# Altium PCB UmTRXv21.PcbDoc (part 7 of 19)
Units mm, origin at the board's own origin, x right, y up, seen from the top; angles counter-clockwise.
Board outline 159.5 x 99.5 mm, 6 copper layers (Top Layer, GND, MidLayer1, Mid-Layer 2, InternalPlane2, Bottom Layer), stack 1.526 mm thick; 716 components, 578 nets, 2850 pads, 1402 vias.
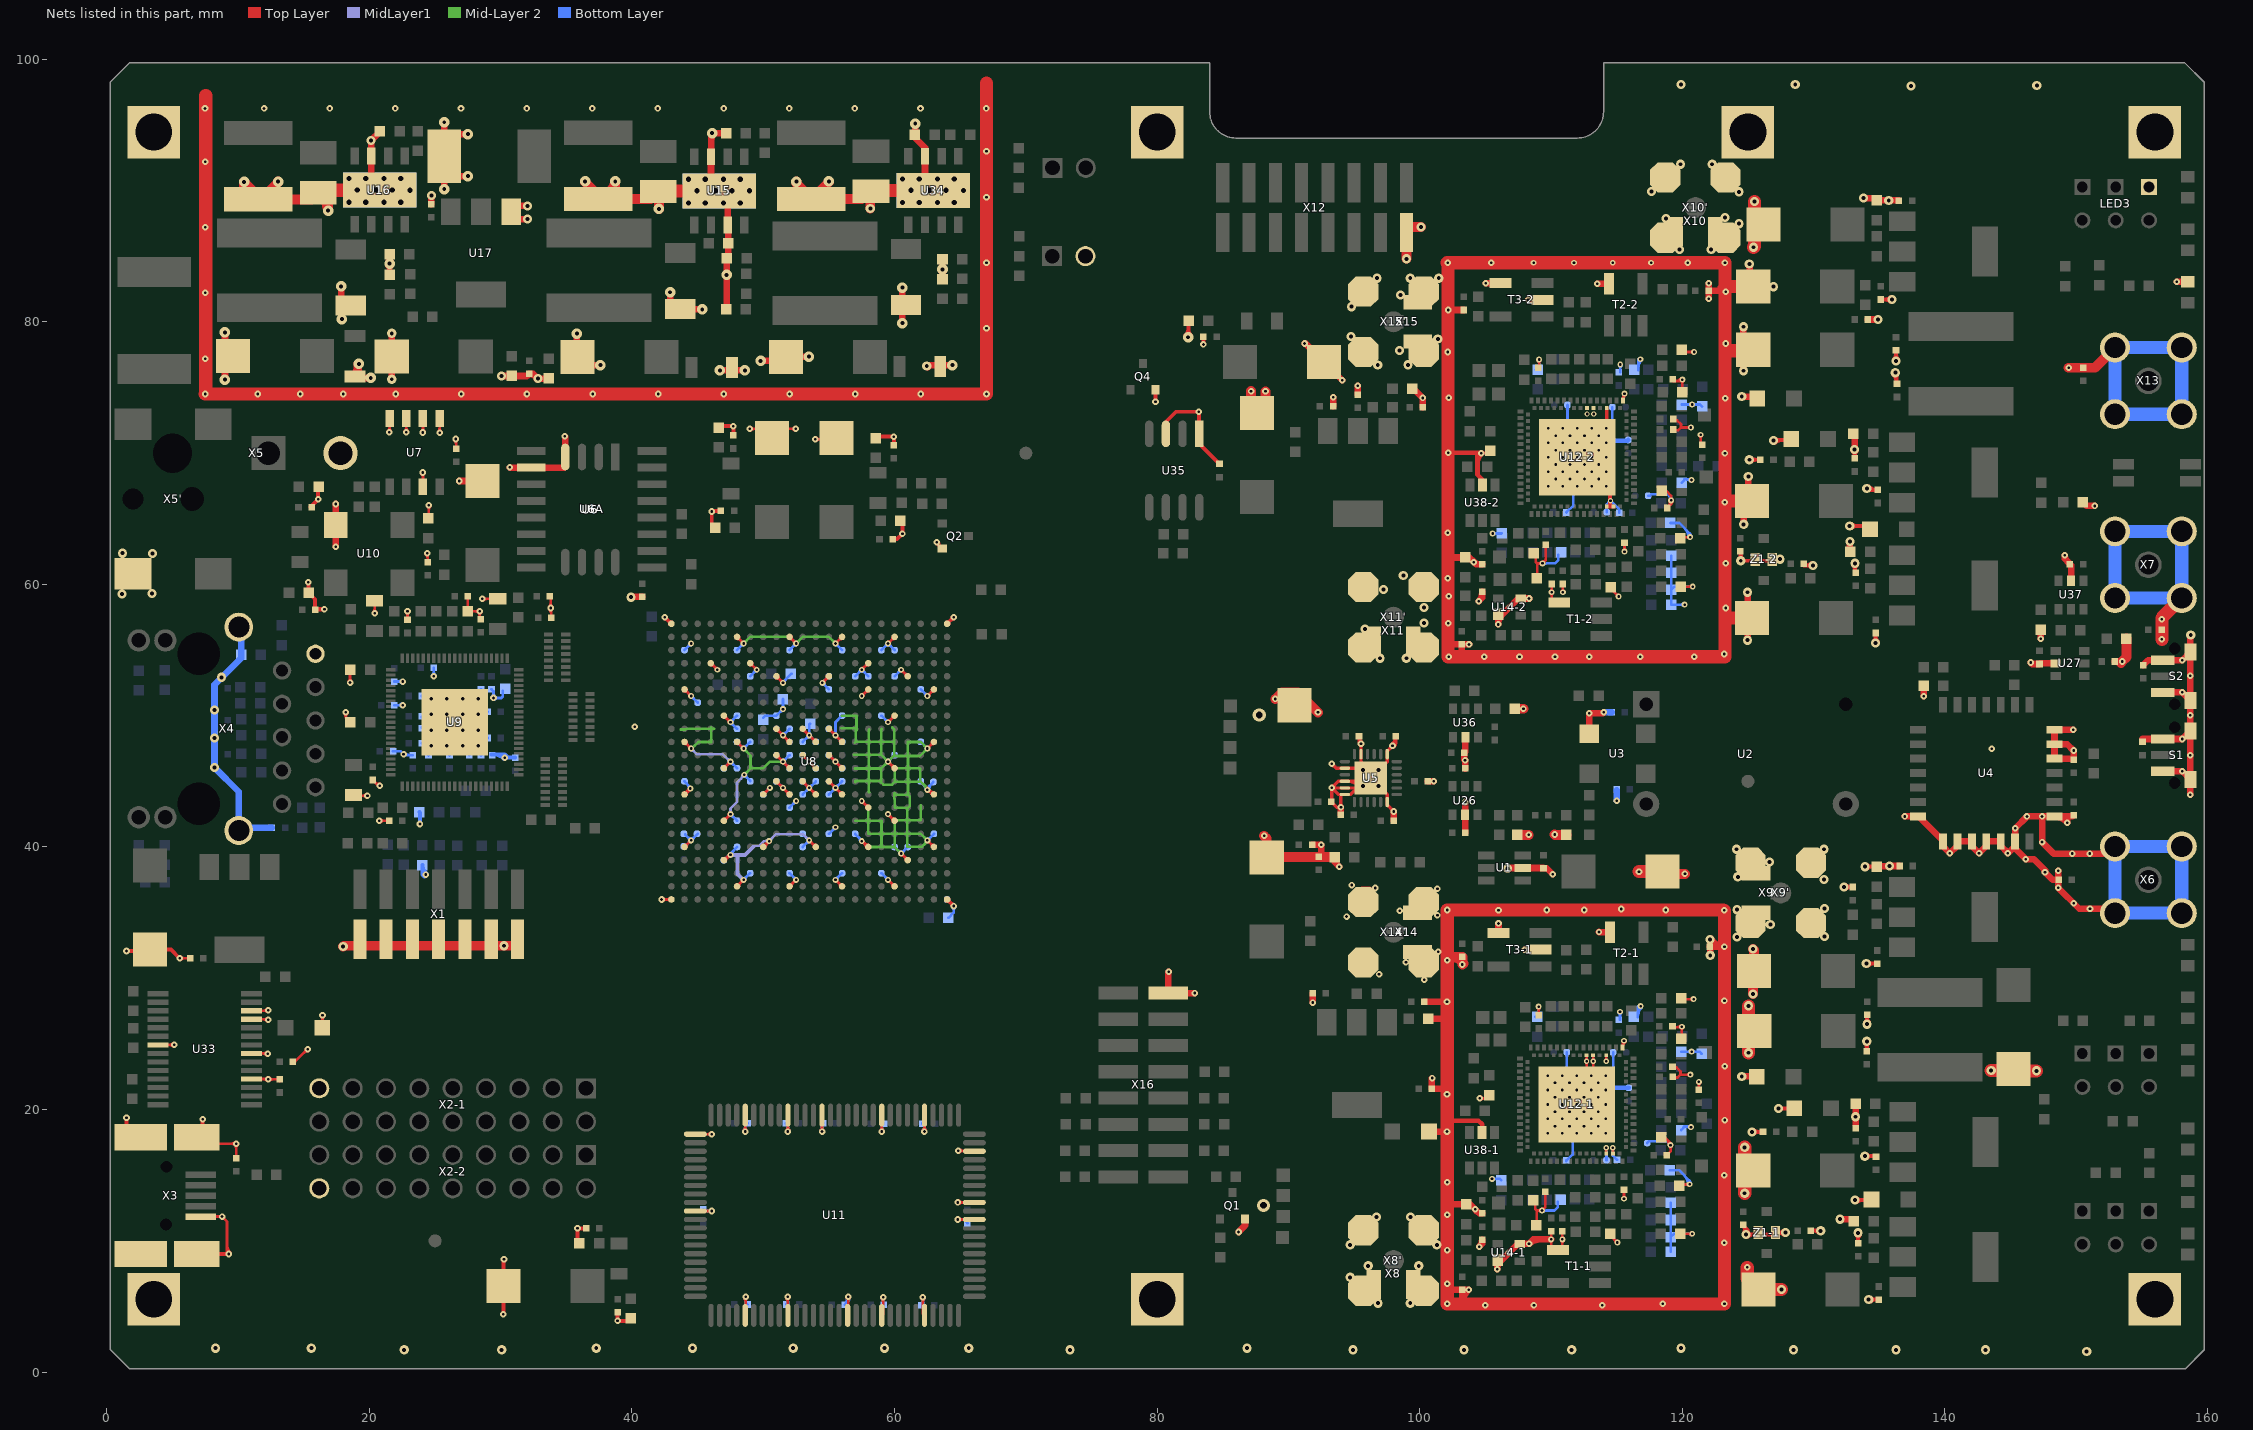
[diagram p11: the nets of this part, all layers, seen from the top]

## Via types
v1: diameter 0.45, hole 0.2, Top Layer to Bottom Layer, tented both sides, 440 vias
v2: diameter 0.5, hole 0.2, Top Layer to Bottom Layer, tented both sides, 423 vias
v3: diameter 0.7, hole 0.3, Top Layer to Bottom Layer, tented both sides, 257 vias
v4: diameter 0.4, hole 0.2, Top Layer to Bottom Layer, tented both sides, 197 vias
v5: diameter 0.8, hole 0.3, Top Layer to Bottom Layer, tented both sides, 63 vias
v6: diameter 0.6, hole 0.25, Top Layer to Bottom Layer, tented both sides, 16 vias
v7: diameter 0.6, hole 0.3, Top Layer to Bottom Layer, tented both sides, 4 vias
v8: diameter 1, hole 0.5, Top Layer to Bottom Layer, tented both sides, 2 vias

## Nets (pads, with @x,y where several pads share a name; then routed paths per layer and width w, separated by ;. In a path a pad name is that pad's centre, name@x,y a point inside that pad or via, vN(x,y) a via of type N, cw(c..) or ccw(c..) an arc to the next point about the centre after c; other vN are vias at no path point) (continued)
GND: C4.2 C5.1 C6.2 C7.2 C8.2 C9.2 C10.2 C11.2 C12.2 C13.2 C14.1 C15.1 C17.2 C18.2 C19.2 C20.2 C21.2 C22.2 C23.2 C24.2 C25.2 C26.2 C27.1 C32.1 C33.2 C34.2 C35.2 C36.2 C37.2 C38.2 C39.2 C40.2 C41.1 C42.2 C43.1 C44-1.2 C44-2.2 C45-1.1 C45-2.1 C48-1.2 C48-2.2 C49-1.2 C49-2.2 C50-1.2 C50-2.2 C51-1.2 C51-2.2 C52-1.2 C52-2.2 C53-1.2 C53-2.2 C54-1.2 C54-2.2 C55-1.2 C55-2.2 C56-1.2 C56-2.2 C57-1.2 C57-2.2 C58-1.2 C58-2.2 C59-1.1 C59-2.1 C60-1.1 C60-2.1 C61-1.1 C61-2.1 C62-1.1 C62-2.1 C63-1.1 C63-2.1 C64-1.2 C64-2.2 C65-1.2 C65-2.2 C66-1.2 C66-2.2 C67-1.1 C67-2.1 C68-1.2 C68-2.2 C69-1.2 C69-2.2 C70-1.2 C70-2.2 C71-1.2 C71-2.2 C72-1.2 C72-2.2 C73-1.2 C73-2.2 C74-1.2 C74-2.2 C75-1.2 C75-2.2 C76-1.2 C76-2.2 C77-1.2 C77-2.2 C78-1.2 C78-2.2 C79-1.2 C79-2.2 C80-1.2 C80-2.2 C81-1.2 C81-2.2 C82-1.2 C82-2.2 C84-1.1 C84-2.1 C85-1.1 C85-2.1 C86-1.2 C86-2.2 C87-1.2 C87-2.2 C88-1.2 C88-2.2 C89-1.2 C89-2.2 C90-1.2 C90-2.2 C91-1.2 C91-2.2 C92-1.2 C92-2.2 C93-1.2 C93-2.2 C94-1.1 C94-2.1 C95-1.2 C95-2.2 C97-1.1 C97-2.1 C98-1.2 C98-2.2 C100-1.1 C100-2.1 C113.2 C114.2 C115.2 C116.2 C117.2 C118.2 C119.2 C120.2 C125.2 C127.2 C128.2 C129.2 C131.2 C135.2 C136.2 C137.2 C138.2 C139.2 C140.2 C141.2 C143.2 C144.2 C145.2 C146.2 C147.2 C148.2 C150.2 C151.2 C152.2 C153.2 C154.2 C156.2 C157.2 C158.2 C159.2 C161.2 C162.2 C163.2 C164.2 C165.2 C166.2 C168.2 C169-1.2 C169-2.2 C171.2 C172.1 C174.1 C175.1 C176.1 C177.1 C178.1 C179.1 C180.1 C181.1 C182.1 C183.1 C184.1 C185.1 C186.1 C187.1 C188.1 C189.1 C190.1 C191.1 C192.1 C193.1 C194.1 C196.1 C197.1 C198.1 C199.1 C200.1 C201.1 C202.1 C203.1 C204.1 C205.1 C206.1 C207.1 C208.1 C209.1 C210.1 C211.1 C212.1 C213.1 C214.1 C215.1 C216.1 C217.1 C218.1 C219.1 C220.1 C221.1 C222.1 C223.1 C224.1 C225.1 C227.1 C228.1 C229.2 C230.2 C231.2 C232.2 C233.2 C234.2 C235.2 C236.2 C237.2 C238.2 C239.2 C240.2 C241.2 C242.2 C243.2 C244.2 C245.2 C246.2 C247.2 C248.2 C249.2 C250.2 C251.2 C252.2 C254.2 C255.2 C256.2 C257.2 C258.2 C259.2 C260.2 C261.2 C262.2 C263.2 C264.2 C265.2 C266.2 C268.2 C269.2 C270.2 C271.2 C272.2 C273.2 C274.2 C275.1 C276.2 C277.2 C278.2 C279.2 C280.2 C281.2 C282.2 C283.2 C284.2 C285.2 C286.1 C287.1 C290.2 C291.2 C292.1 C293.1 C294.1 C295.1 C297.1 C298.2 C299.2 C300.2 C301-1.2 C301-2.2 D1.2 D2.2 D3.2 D4.1 ESD1.2 ESD2.2 ESD3-1.1 ESD3-2.1 ESD3.2 ESD4-1.1 ESD4-2.1 ESD5-1.1 ESD5-2.1 LED3.1 LED3A'.1 pad.0 Q1.2 Q2.2 Q4.2 R5.1 R12.1 R20.2 R23.1 R24.1 R32.2 R56.1 R60.2 R61.2 R62.1 R66.1 R67.1 R78.2 R93.2 R96-1.1 R96-2.1 R97-1.1 R97-2.1 R98-1.1 R98-2.1 R106-1.1 R106-2.1 R107-1.1 R107-2.1 R108-1.1 R108-2.1 R110-1.1 R110-2.1 R111-1.1 R111-2.1 R112-1.1 R112-2.1 R113-1.1 R113-2.1 R121-1.2 R121-2.2 R123.2 R128.1 R129.1 R131.2 R132.2 R135.2 R138.2 R153.1 R155.2 R157.2 R159.1 R168.1 R169.2 S1.2 S1.3 S1.4 S2.2 S2.3 S2.4 T1-1.6 T1-2.6 T2-1.4 T2-2.4 T3-1.2 T3-1.6 T3-2.2 T3-2.6 U1.2 U2.7 U3.2 U4.1 U4.5 U4.6 U4.7 U4.21 U4.22 U4.23 U4.24 U4.25 U4.26 U4.27 U5.0 U5.2 U5.4 U5.5 U5.6 U5.12 U5.19 U5.23 U6.4 U6A.10 U7.1 U7.2 U7.3 U7.4 U7.7 U8.A1 U8.A22 U8.AA5 U8.AA9 U8.AA13 U8.AA17 U8.AB1 U8.AB22 U8.B5 U8.B9 U8.B13 U8.B17 U8.D4 U8.D18 U8.E2 U8.E7 U8.E11 U8.E15 U8.E21 U8.G5 U8.G18 U8.H7 U8.J2 U8.J9 U8.J11 U8.J13 U8.J15 U8.J21 U8.K10 U8.K12 U8.K14 U8.L5 U8.L9 U8.L11 U8.L13 U8.L18 U8.M10 U8.M12 U8.M14 U8.N2 U8.N9 U8.N11 U8.N13 U8.N17 U8.N21 U8.P10 U8.P12 U8.P14 U8.R5 U8.R18 U8.U2 U8.U7 U8.U21 U8.V4 U8.V10 U8.V14 U8.W7 U8.W16 U8.W19 U9.0 U10.2 U11.5 U11.10 U11.17 U11.21 U11.26 U11.31 U11.40 U11.55 U11.60 U11.67 U11.71 U11.76 U11.90 U11.92 U11.98 U12-1.0 U12-1.53 U12-1.55 U12-1.88 U12-1.93 U12-1.97 U12-1.99 U12-2.0 U12-2.53 U12-2.55 U12-2.88 U12-2.93 U12-2.97 U12-2.99 U14-1.2 U14-1.4 U14-2.2 U14-2.4 U15.0 U15.3 U15.7 U16.0 U16.7 U17.1 U26.2 U27.2 U33.7 U33.18 U33.21 U33.25 U33.26 U34.0 U34.7 U35.1 U35.3 U36.2 U37.2 U38-1.2 U38-2.2 X1.1 X1.3 X1.5 X1.7 X1.9 X1.11 X1.13 X2-1.17 X2-2.18 X3.0 X3.4 X4.1 X4.15 X5'.2 X5.2 X6.2 X7.2 X8'.2 X8.2 X9'.2 X9.2 X10'.2 X10.2 X11'.2 X11.2 X12.15 X13.2 X14'.2 X14.2 X15'.2 X15.2 X16.15 X17.2 Z1-1.2 Z1-2.2 | length 1567.9
  Top Layer w0.15: v1(113.655,33.525) T2-1.4@114.455,33.525 ; v1@113.761,33.419 cw(c114.017,33.163) 114.017,33.525 cw(c114.017,33.887) v1@113.761,33.631
  Top Layer w0.2: U33.7@3.9,24.925 v2(5.125,24.925) ; v2@5.019,24.819 ccw(c4.763,24.563) 4.763,24.925 ccw(c4.763,25.287) v2@5.019,25.031 ; v2(5.55,31.525) C214.1@6.35,31.525 ; v2@5.656,31.419 cw(c5.912,31.163) 5.912,31.525 cw(c5.912,31.887) v2@5.656,31.631 ; X3.4@7.4,11.85 v2(8.775,11.85) 9.15,11.475 v2@9.15,9 ; X3.0@7.625,17.4 v2(9.85,17.4) 9.85,16.55 ; 9.15,9.241 ccw(c9.541,9.241) v2@9.265,8.965 ; 9.15,9.724 ccw(c10.024,9.724) v2@9.406,9.106 ; v2@9.744,17.506 cw(c9.488,17.762) 9.488,17.4 cw(c9.488,17.038) 9.744,17.294 cw(c9.488,17.038) 9.85,17.038 cw(c10.212,17.038) v2@9.956,17.294 ; U33.18@11,22.325 12.275,22.325 12.3,22.35 v2(12.3,22.3) 13.025,22.3 C300.2@13.175,22.15 ; U33.21@11,24.275 12.225,24.275 v2(12.25,24.25) ; U33.25@11,26.875 12.225,26.875 12.25,26.9 v2(12.3,26.85) ; U33.26@11,27.525 12.275,27.525 v2(12.3,27.55) ; 11.828,24.275 cw(c11.828,23.828) v2@12.144,24.144 ; 11.877,22.325 cw(c11.877,21.877) v2@12.194,22.194 ; 11.878,26.875 cw(c11.878,26.428) v2@12.194,26.744 ; 11.878,27.525 ccw(c11.878,27.972) v2@12.194,27.656 ; 11.948,24.275 ccw(c11.948,24.552) v2@12.144,24.356 ; 11.998,22.325 ccw(c11.998,22.602) v2@12.194,22.406 ; 11.998,26.875 ccw(c11.998,27.152) v2@12.194,26.956 ; 11.998,27.525 cw(c11.998,27.248) v2@12.194,27.444 ; v2@12.406,22.194 cw(c12.662,21.938) 12.662,22.3 cw(c12.662,22.662) v2@12.406,22.406 ; C299.2@14.175,23.65 14.35,23.65 v2(15.3,24.6) ; v2@15.15,24.6 cw(c14.788,24.6) 15.044,24.344 cw(c15.3,24.088) v2@15.3,24.45 ; v2@16.319,27.069 cw(c16.063,26.813) 16.425,26.813 cw(c16.787,26.813) v2@16.531,27.069 ; C298.2@16.425,26.175 v2(16.425,27.175) ; v2@18.094,50.144 cw(c17.838,49.888) 18.2,49.888 cw(c18.562,49.888) v2@18.306,50.144 ; v2(18.2,50.25) 18.2,49.85 R60.2@18.55,49.5 ; v2@18.419,52.631 ccw(c18.163,52.887) 18.525,52.887 ccw(c18.887,52.887) v2@18.631,52.631 ; v2(18.525,52.525) R78.2@18.525,53.375 ; C285.2@18.8,43.95 18.85,43.9 v2(19.85,43.9) ; v2@19.744,43.794 ccw(c19.488,43.538) 19.488,43.9 ccw(c19.488,44.262) v2@19.744,44.006 ; C287.1@20.25,45.1 20.7,44.65 v2(20.8,44.65) ; v2@20.294,57.906 ccw(c20.038,58.162) 20.4,58.162 ccw(c20.762,58.162) v2@20.506,57.906 ; C287.1@20.373,44.977 ccw(c20.8,45.404) v2@20.8,44.8 ; v2(20.4,57.8) C283.2@20.4,58.75 ; v2(20.75,42) C228.1@21.4,42 ; v2@20.856,41.894 cw(c21.112,41.638) 21.112,42 cw(c21.112,42.362) v2@20.856,42.106 ; v2@21.418,71.687 ccw(c21.129,71.975) 21.537,71.975 ; v2(21.524,71.58) 21.537,71.594 U7.4@21.537,72.638 ; 21.537,71.91 ccw(c21.853,71.91) v2@21.63,71.687 ; v2@22.709,71.7 ccw(c22.473,71.936) 22.807,71.936 ; v2@22.794,57.844 cw(c22.538,57.588) 22.9,57.588 cw(c23.262,57.588) v2@23.006,57.844 ; 22.807,71.976 ccw(c23.197,71.976) v2@22.921,71.7 ; U7.3@22.807,72.638 22.807,71.602 v2(22.815,71.594) ; C240.2@22.9,57.3 v2(22.9,57.95) ; v2@23.95,68.417 cw(c23.645,68.111) 24.077,68.111 ; v2@23.963,71.674 ccw(c23.687,71.95) 24.077,71.95 ; v2(24.056,68.523) 24.077,68.503 U7.7@24.077,67.428 ; v2(24.069,71.568) 24.077,71.576 U7.2@24.077,72.638 ; 24.077,68.211 cw(c24.369,68.211) v2@24.163,68.417 ; 24.077,71.91 ccw(c24.411,71.91) v2@24.175,71.674 ; v2@24.294,62.269 cw(c23.917,61.892) C37.2@24.45,61.892 ; v2(24.4,62.375) 24.45,62.325 C37.2@24.45,61.7 C37.2@24.45,61.675 ; v2@24.419,65.919 cw(c24.163,65.663) 24.525,65.663 cw(c24.887,65.663) v2@24.631,65.919 ; R62.1@24.525,65.075 v2(24.525,66.025) ; v2@25.242,71.648 ccw(c24.988,71.902) 25.347,71.902 ; 25.347,71.907 ccw(c25.713,71.907) v2@25.454,71.648 ; U7.1@25.347,72.638 25.347,71.543 v2(25.348,71.542) ; v2@26.469,70.969 cw(c26.092,70.592) 26.625,70.592 ; C27.1@26.625,70.325 v2@26.625,71.081 ; C40.2@27.5,59.1 R56.1@27.5,57.95 v2(28.4,57.95) C286.1@28.4,57.35 ; v2@28.294,58.056 cw(c28.038,58.312) 28.038,57.95 cw(c28.038,57.588) 28.294,57.844 cw(c28.038,57.588) 28.4,57.588 cw(c28.762,57.588) v2@28.506,57.844 ; v2(28.6,58.9) 28.65,58.9 C284.2@29.65,58.9 ; v2@28.706,58.794 cw(c28.962,58.538) 28.962,58.9 cw(c28.962,59.262) v2@28.706,59.006 ; v2@33.694,58.094 cw(c33.317,57.717) 33.85,57.717 ; v2@33.694,58.306 ccw(c33.438,58.562) 33.8,58.562 ccw(c34.162,58.562) v2@33.906,58.306 ; C39.2@33.75,59.1 33.8,59.05 v2(33.8,58.2) 33.85,58.15 C42.2@33.85,57.45 ; v2(42.25,36) U8.A22@43,36 ; v2@42.356,35.894 cw(c42.612,35.638) 42.612,36 cw(c42.612,36.362) v2@42.356,36.106 ; v2@42.5,57.35 cw(c42.5,56.988) 42.756,57.244 ; v2(42.5,57.5) U8.AB22@43,57 ; v2@42.615,57.304 cw(c42.474,56.953) U8.AB22@42.851,56.987 ; v2@42.65,57.5 ccw(c43.012,57.5) 42.756,57.244 ; v2@42.696,57.385 ccw(c43.047,57.526) U8.AB22@43.013,57.149 ; U8.AB22@42.85,57 ccw(c42.488,57) 42.744,57.256 ccw(c43,57.512) U8.AB22@43,57.15 ; U8.AB22@42.85,57.002 ccw(c42.502,57.006) 42.751,57.249 ccw(c42.994,57.498) U8.AB22@42.998,57.15 ; U8.AB22@42.85,57.006 ccw(c42.537,57.02) 42.756,57.244 ; U8.A22@42.894,35.894 ccw(c42.638,35.638) 42.638,36 ccw(c42.638,36.362) U8.A22@42.894,36.106 ; U8.AB22@42.994,57.15 cw(c42.98,57.463) 42.756,57.244 ; U8.J21@43.969,44.147 ccw(c43.854,44.695) v1@44.34,44.415 ; U8.E21@44,40 v1(44.5,40.5) ; U8.E21@44,40.15 ccw(c44,40.512) 44.256,40.256 ccw(c44.512,40) U8.E21@44.15,40 ; U8.J21@44,44 v1@44.5,44.5 ; U8.J21@44,44.15 ccw(c44,44.512) 44.256,44.256 ccw(c44.512,44) U8.J21@44.15,44 ; U8.N21@44,47.85 cw(c44,47.488) 44.256,47.744 cw(c44.512,48) U8.N21@44.15,48 ; U8.N21@44,48 v1(44.5,47.5) ; U8.U21@44,51.85 cw(c44,51.488) 44.256,51.744 cw(c44.512,52) U8.U21@44.15,52 ; U8.U21@44,52 v1(44.5,51.5) ; U8.J21@44.012,44.149 ccw(c44.034,44.411) 44.262,44.28 ; U8.J21@44.147,43.969 cw(c44.695,43.854) v1@44.415,44.34 ; U8.J21@44.149,44.012 cw(c44.411,44.034) 44.28,44.262 ; v1@44.325,44.45 cw(c44.023,44.45) 44.237,44.237 cw(c44.45,44.023) v1@44.45,44.325 ; v1@44.375,40.5 cw(c44.073,40.5) 44.287,40.287 cw(c44.5,40.073) v1@44.5,40.375 ; v1@44.375,47.5 ccw(c44.073,47.5) 44.287,47.713 ccw(c44.5,47.927) v1@44.5,47.625 ; v1@44.375,51.5 ccw(c44.073,51.5) 44.287,51.713 ccw(c44.5,51.927) v1@44.5,51.625 ; U11.40@44.825,12.275 v2(46.075,12.275) ; U11.31@44.825,18.125 v2(46.075,18.125) ; v2@45.969,12.169 ccw(c45.713,11.913) 45.713,12.275 ccw(c45.713,12.637) v2@45.969,12.381 ; v2@45.969,18.019 ccw(c45.713,17.763) 45.713,18.125 ccw(c45.713,18.487) v2@45.969,18.231 ; U8.W19@46,53.85 cw(c46,53.488) 46.256,53.744 cw(c46.512,54) U8.W19@46.15,54 ; U8.W19@46,54 v1(46.5,53.5) ; v1@46.375,53.5 ccw(c46.073,53.5) 46.287,53.713 ccw(c46.5,53.927) v1@46.5,53.625 ; U8.D18@47,39 v1@47.5,39.5 ; U8.D18@47,39.15 ccw(c47,39.512) 47.256,39.256 ccw(c47.512,39) U8.D18@47.15,39 ; U8.G18@47,42 v1(47.5,42.5) ; U8.G18@47,42.15 ccw(c47,42.512) 47.256,42.256 ccw(c47.512,42) U8.G18@47.15,42 ; U8.L18@47,46 v1(47.5,46.5) ; U8.L18@47,46.15 ccw(c47,46.512) 47.256,46.256 ccw(c47.512,46) U8.L18@47.15,46 ; U8.R18@47,49.85 cw(c47,49.488) 47.256,49.744 cw(c47.512,50) U8.R18@47.15,50 ; U8.R18@47,50 v1(47.5,49.5) ; U8.D18@47.039,39.145 ccw(c47.095,39.355) 47.204,39.167 ; U8.D18@47.116,39.116 cw(c47.5,38.732) v1@47.5,39.275 ; U8.D18@47.145,38.961 cw(c47.633,38.831) v1@47.381,39.269 ; v1@47.375,42.5 cw(c47.073,42.5) 47.287,42.287 cw(c47.5,42.073) v1@47.5,42.375 ; v1@47.375,46.5 cw(c47.073,46.5) 47.287,46.287 cw(c47.5,46.073) v1@47.5,46.375 ; v1@47.375,49.5 ccw(c47.073,49.5) 47.287,49.713 ccw(c47.5,49.927) v1@47.5,49.625 ; U8.B17@48,37 v1(48.5,37.5) ; U8.B17@48,37.15 ccw(c48,37.512) 48.256,37.256 ccw(c48.512,37) U8.B17@48.15,37 ; U8.N17@48,47.85 cw(c48,47.488) 48.256,47.744 cw(c48.512,48) U8.N17@48.15,48 ; U8.N17@48,48 v1(48.5,47.5) ; U8.AA17@48,55.85 cw(c48,55.488) 48.256,55.744 cw(c48.512,56) U8.AA17@48.15,56 ; U8.AA17@48,56 v1(48.5,55.5) ; v1@48.375,37.5 cw(c48.073,37.5) 48.287,37.287 cw(c48.5,37.073) v1@48.5,37.375 ; v1@48.375,47.5 ccw(c48.073,47.5) 48.287,47.713 ccw(c48.5,47.927) v1@48.5,47.625 ; v1@48.375,55.5 ccw(c48.073,55.5) 48.287,55.713 ccw(c48.5,55.927) v1@48.5,55.625 ; v2@48.519,18.431 ccw(c48.263,18.687) 48.625,18.687 ccw(c48.987,18.687) v2@48.731,18.431 ; v2@48.544,5.644 cw(c48.288,5.388) 48.65,5.388 cw(c49.012,5.388) v2@48.756,5.644 ; U11.55@48.625,4.325 48.65,4.35 v2(48.65,5.75) ; v2(48.625,18.325) U11.26@48.625,19.575 ; U8.W16@49,53.85 cw(c49,53.488) 49.256,53.744 cw(c49.512,54) U8.W16@49.15,54 ; U8.W16@49,54 v1(49.5,53.5) ; v2@49.025,71.85 v2(52.475,71.85) v2@52.525,71.85 ; v2@49.081,71.744 cw(c49.337,71.488) 49.337,71.85 cw(c49.337,72.212) v2@49.081,71.956 ; v1@49.375,53.5 ccw(c49.073,53.5) 49.287,53.713 ccw(c49.5,53.927) v1@49.5,53.625 ; U8.E15@49.969,40.147 ccw(c49.854,40.695) v1@50.34,40.415 ; U8.E15@50,40 v1(50.45,40.45) ; U8.E15@50,40.15 ccw(c50,40.512) 50.256,40.256 ccw(c50.512,40) U8.E15@50.15,40 ; U8.J15@50,44 v1(50.5,44.5) ; U8.J15@50,44.15 ccw(c50,44.512) 50.256,44.256 ccw(c50.512,44) U8.J15@50.15,44 ; U8.E15@50.012,40.149 ccw(c50.034,40.411) 50.262,40.28 ; U8.E15@50.147,39.969 cw(c50.695,39.854) v1@50.415,40.34 ; U8.E15@50.149,40.012 cw(c50.411,40.034) 50.28,40.262 ; v1@50.325,40.45 cw(c50.023,40.45) 50.237,40.237 cw(c50.45,40.023) v1@50.45,40.325 ; v1@50.375,44.5 cw(c50.073,44.5) 50.287,44.287 cw(c50.5,44.073) v1@50.5,44.375 ; C166.2@50.675,71.15 C166.2@50.725,71.2 ; U8.K14@51,44.85 cw(c51,44.488) 51.256,44.744 cw(c51.512,45) U8.K14@51.15,45 ; U8.K14@51,45 v1(51.5,44.5) U8.J13@52,44 ; U8.M14@51,46.85 cw(c51,46.488) 51.256,46.744 cw(c51.512,47) U8.M14@51.15,47 ; U8.M14@51,47 v1(51.5,46.5) U8.L13@52,46 ; U8.P14@51,48.85 cw(c51,48.488) 51.256,48.744 cw(c51.512,49) U8.P14@51.15,49 ; U8.P14@51,49 v1(51.5,48.5) U8.N13@52,48 ; U8.V14@51,52.85 cw(c51,52.488) 51.256,52.744 cw(c51.512,53) U8.V14@51.15,53 ; U8.V14@51,53 v1(51.5,52.5) ; v1@51.375,44.5 ccw(c51.073,44.5) 51.287,44.713 ccw(c51.5,44.927) v1@51.5,44.625 ; v1@51.375,46.5 ccw(c51.073,46.5) 51.287,46.713 ccw(c51.5,46.927) v1@51.5,46.625 ; v1@51.375,48.5 ccw(c51.073,48.5) 51.287,48.713 ccw(c51.5,48.927) v1@51.5,48.625 ; v1@51.375,52.5 ccw(c51.073,52.5) 51.287,52.713 ccw(c51.5,52.927) v1@51.5,52.625 ; v1@51.5,44.375 cw(c51.5,44.073) 51.713,44.287 cw(c51.927,44.5) v1@51.625,44.5 ; v1@51.5,46.375 cw(c51.5,46.073) 51.713,46.287 cw(c51.927,46.5) v1@51.625,46.5 ; v1@51.5,48.375 cw(c51.5,48.073) 51.713,48.287 cw(c51.927,48.5) v1@51.625,48.5 ; v2@51.744,5.644 cw(c51.488,5.388) 51.85,5.388 cw(c52.212,5.388) v2@51.956,5.644 ; v2@51.769,18.431 ccw(c51.513,18.687) 51.875,18.687 ccw(c52.237,18.687) v2@51.981,18.431 ; v2(51.85,5.75) 51.85,4.35 U11.60@51.875,4.325 ; U8.J13@51.85,44 ccw(c51.488,44) 51.744,44.256 ccw(c52,44.512) U8.J13@52,44.15 ; U8.L13@51.85,46 ccw(c51.488,46) 51.744,46.256 ccw(c52,46.512) U8.L13@52,46.15 ; U8.N13@51.85,48 ccw(c51.488,48) 51.744,48.256 ccw(c52,48.512) U8.N13@52,48.15 ; v2(51.875,18.325) U11.21@51.875,19.575 ; U8.B13@52,37 v1(52.5,37.5) ; U8.B13@52,37.15 ccw(c52,37.512) 52.256,37.256 ccw(c52.512,37) U8.B13@52.15,37 ; U8.AA13@52,55.85 cw(c52,55.488) 52.256,55.744 cw(c52.512,56) U8.AA13@52.15,56 ; U8.AA13@52,56 v1(52.5,55.5) ; v2@52.369,71.744 ccw(c52.113,71.488) 52.113,71.85 ccw(c52.113,72.212) v2@52.369,71.956 ; v1@52.375,37.5 cw(c52.073,37.5) 52.287,37.287 cw(c52.5,37.073) v1@52.5,37.375 ; v1@52.375,55.5 ccw(c52.073,55.5) 52.287,55.713 ccw(c52.5,55.927) v1@52.5,55.625 ; U8.K12@53,44.85 cw(c53,44.488) 53.256,44.744 cw(c53.512,45) U8.K12@53.15,45 ; U8.K12@53,45 v1(53.5,44.5) U8.J11@54,44 ; U8.M12@53,46.85 cw(c53,46.488) 53.256,46.744 cw(c53.512,47) U8.M12@53.15,47 ; U8.M12@53,47 v1(53.5,46.5) U8.L11@54,46 ; U8.P12@53,48.85 cw(c53,48.488) 53.256,48.744 cw(c53.512,49) U8.P12@53.15,49 ; U8.P12@53,49 v1(53.5,48.5) U8.N11@54,48 ; v1@53.375,44.5 ccw(c53.073,44.5) 53.287,44.713 ccw(c53.5,44.927) v1@53.5,44.625 ; v1@53.375,46.5 ccw(c53.073,46.5) 53.287,46.713 ccw(c53.5,46.927) v1@53.5,46.625 ; v1@53.375,48.5 ccw(c53.073,48.5) 53.287,48.713 ccw(c53.5,48.927) v1@53.5,48.625 ; v1@53.5,40.375 cw(c53.5,40.073) 53.713,40.287 cw(c53.927,40.5) v1@53.625,40.5 ; v1(53.5,40.5) U8.E11@54,40 ; v1@53.5,44.375 cw(c53.5,44.073) 53.713,44.287 cw(c53.927,44.5) v1@53.625,44.5 ; v1@53.5,46.375 cw(c53.5,46.073) 53.713,46.287 cw(c53.927,46.5) v1@53.625,46.5 ; v1@53.5,48.375 cw(c53.5,48.073) 53.713,48.287 cw(c53.927,48.5) v1@53.625,48.5 ; U8.E11@53.85,40 ccw(c53.488,40) 53.744,40.256 ccw(c54,40.512) U8.E11@54,40.15 ; U8.J11@53.85,44 ccw(c53.488,44) 53.744,44.256 ccw(c54,44.512) U8.J11@54,44.15 ; U8.L11@53.85,46 ccw(c53.488,46) 53.744,46.256 ccw(c54,46.512) U8.L11@54,46.15 ; U8.N11@53.85,48 ccw(c53.488,48) 53.744,48.256 ccw(c54,48.512) U8.N11@54,48.15 ; v2(53.95,71.05) 54.9,71.05 C165.2@55.55,70.4 ; v2@54.056,70.944 cw(c54.312,70.688) 54.312,71.05 cw(c54.312,71.412) v2@54.056,71.156 ; v2@54.369,18.431 ccw(c54.113,18.687) 54.475,18.687 ccw(c54.837,18.687) v2@54.581,18.431 ; v2(54.475,18.325) U11.17@54.475,19.575 ; v1(54.5,52.5) U8.V10@55,53 ; v1@54.5,52.625 ccw(c54.5,52.927) 54.713,52.713 ccw(c54.927,52.5) v1@54.625,52.5 ; U8.V10@54.85,53 cw(c54.488,53) 54.744,52.744 cw(c55,52.488) U8.V10@55,52.85 ; U8.K10@55,44.85 cw(c55,44.488) 55.256,44.744 cw(c55.512,45) U8.K10@55.15,45 ; U8.K10@55,45 v1(55.5,44.5) U8.J9@56,44 ; U8.M10@55,46.85 cw(c55,46.488) 55.256,46.744 cw(c55.512,47) U8.M10@55.15,47 ; U8.M10@55,47 v1(55.5,46.5) U8.L9@56,46 ; U8.P10@55,48.85 cw(c55,48.488) 55.256,48.744 cw(c55.512,49) U8.P10@55.15,49 ; U8.P10@55,49 v1(55.5,48.5) U8.N9@56,48 ; v1@55.375,44.5 ccw(c55.073,44.5) 55.287,44.713 ccw(c55.5,44.927) v1@55.5,44.625 ; v1@55.375,46.5 ccw(c55.073,46.5) 55.287,46.713 ccw(c55.5,46.927) v1@55.5,46.625 ; v1@55.375,48.5 ccw(c55.073,48.5) 55.287,48.713 ccw(c55.5,48.927) v1@55.5,48.625 ; v1@55.5,37.375 cw(c55.5,37.073) 55.713,37.287 cw(c55.927,37.5) v1@55.625,37.5 ; v1(55.5,37.5) U8.B9@56,37 ; v1@55.5,44.375 cw(c55.5,44.073) 55.713,44.287 cw(c55.927,44.5) v1@55.625,44.5 ; v1@55.5,46.375 cw(c55.5,46.073) 55.713,46.287 cw(c55.927,46.5) v1@55.625,46.5 ; v1@55.5,48.375 cw(c55.5,48.073) 55.713,48.287 cw(c55.927,48.5) v1@55.625,48.5 ; v1(55.5,55.5) U8.AA9@56,56 ; v1@55.5,55.625 ccw(c55.5,55.927) 55.713,55.713 ccw(c55.927,55.5) v1@55.625,55.5 ; U8.B9@55.85,37 ccw(c55.488,37) 55.744,37.256 ccw(c56,37.512) U8.B9@56,37.15 ; U8.J9@55.85,44 ccw(c55.488,44) 55.744,44.256 ccw(c56,44.512) U8.J9@56,44.15 ; U8.L9@55.85,46 ccw(c55.488,46) 55.744,46.256 ccw(c56,46.512) U8.L9@56,46.15 ; U8.N9@55.85,48 ccw(c55.488,48) 55.744,48.256 ccw(c56,48.512) U8.N9@56,48.15 ; U8.AA9@55.85,56 cw(c55.488,56) 55.744,55.744 cw(c56,55.488) U8.AA9@56,55.85 ; v2@56.369,5.644 cw(c56.113,5.388) 56.475,5.388 cw(c56.837,5.388) v2@56.581,5.644 ; U11.67@56.425,4.325 56.475,4.375 v2(56.475,5.75) ; v1@57.5,40.325 cw(c57.5,39.902) 57.799,40.201 ; v1@57.5,40.5 U8.E7@58,40 ; v1@57.5,43.375 cw(c57.5,43.073) 57.713,43.287 cw(c57.927,43.5) v1@57.625,43.5 ; v1(57.5,43.5) U8.H7@58,43 ; v1(57.5,51.5) U8.U7@58,52 ; v1@57.5,51.625 ccw(c57.5,51.927) 57.713,51.713 ccw(c57.927,51.5) v1@57.625,51.5 ; v1(57.5,53.5) U8.W7@58,54 ; v1@57.5,53.625 ccw(c57.5,53.927) 57.713,53.713 ccw(c57.927,53.5) v1@57.625,53.5 ; v1@57.573,40.332 cw(c57.27,39.808) U8.E7@57.855,39.962 ; 57.762,40.222 cw(c57.669,40.061) U8.E7@57.852,40.027 ; U8.E7@57.85,40 ccw(c57.488,40) 57.744,40.256 ccw(c58,40.512) U8.E7@58,40.15 ; U8.H7@57.85,43 ccw(c57.488,43) 57.744,43.256 ccw(c58,43.512) U8.H7@58,43.15 ; U8.U7@57.85,52 cw(c57.488,52) 57.744,51.744 cw(c58,51.488) U8.U7@58,51.85 ; U8.W7@57.85,54 cw(c57.488,54) 57.744,53.744 cw(c58,53.488) U8.W7@58,53.85 ; v2@58.919,18.431 ccw(c58.663,18.687) 59.025,18.687 ccw(c59.387,18.687) v2@59.131,18.431 ; v2@59.019,5.594 cw(c58.763,5.338) 59.125,5.338 cw(c59.487,5.338) v2@59.231,5.594 ; U11.71@59.025,4.325 59.125,4.425 v2(59.125,5.7) ; v2(59.025,18.325) U11.10@59.025,19.575 ; v1@59.5,37.375 cw(c59.5,37.073) 59.713,37.287 cw(c59.927,37.5) v1@59.625,37.5 ; v1(59.5,37.5) U8.B5@60,37 ; v1@59.5,42.375 cw(c59.5,42.073) 59.713,42.287 cw(c59.927,42.5) v1@59.625,42.5 ; v1(59.5,42.5) U8.G5@60,42 ; v1@59.5,46.375 cw(c59.5,46.073) 59.713,46.287 cw(c59.927,46.5) v1@59.625,46.5 ; v1(59.5,46.5) U8.L5@60,46 ; v1(59.5,49.5) U8.R5@60,50 ; v1@59.5,49.625 ccw(c59.5,49.927) 59.713,49.713 ccw(c59.927,49.5) v1@59.625,49.5 ; v1(59.5,55.5) U8.AA5@60,56 ; v1@59.5,55.625 ccw(c59.5,55.927) 59.713,55.713 ccw(c59.927,55.5) v1@59.625,55.5 ; U8.B5@59.85,37 ccw(c59.488,37) 59.744,37.256 ccw(c60,37.512) U8.B5@60,37.15 ; U8.G5@59.85,42 ccw(c59.488,42) 59.744,42.256 ccw(c60,42.512) U8.G5@60,42.15 ; U8.L5@59.85,46 ccw(c59.488,46) 59.744,46.256 ccw(c60,46.512) U8.L5@60,46.15 ; U8.R5@59.85,50 cw(c59.488,50) 59.744,49.744 cw(c60,49.488) U8.R5@60,49.85 ; U8.AA5@59.85,56 cw(c59.488,56) 59.744,55.744 cw(c60,55.488) U8.AA5@60,55.85 ; v1@60.5,39.375 cw(c60.5,39.073) 60.713,39.287 cw(c60.927,39.5) v1@60.625,39.5 ; v1(60.5,39.5) U8.D4@61,39 ; v1@60.5,53.375 cw(c60.5,53.073) 60.713,53.287 cw(c60.927,53.5) v1@60.625,53.5 ; v1(60.5,53.5) U8.V4@61,53 ; U8.D4@60.85,39 ccw(c60.488,39) 60.744,39.256 ccw(c61,39.512) U8.D4@61,39.15 ; U8.V4@60.85,53 ccw(c60.488,53) 60.744,53.256 ccw(c61,53.512) U8.V4@61,53.15 ; v2@62.044,5.594 cw(c61.788,5.338) 62.15,5.338 cw(c62.512,5.338) v2@62.256,5.594 ; v2(62.15,5.7) 62.15,4.45 U11.76@62.275,4.325 ; v2@62.169,18.431 ccw(c61.913,18.687) 62.275,18.687 ccw(c62.637,18.687) v2@62.381,18.431 ; v2(62.275,18.325) U11.5@62.275,19.575 ; v1@62.5,40.375 cw(c62.5,40.073) 62.713,40.287 cw(c62.927,40.5) v1@62.625,40.5 ; v1(62.5,40.5) U8.E2@63,40 ; v1@62.5,44.225 cw(c62.5,43.561) U8.J2@62.97,44.03 ; v1@62.5,44.5 U8.J2@63,44 ; v1(62.5,47.5) U8.N2@63,48 ; v1@62.5,47.625 ccw(c62.5,47.927) 62.713,47.713 ccw(c62.927,47.5) v1@62.625,47.5 ; v1(62.5,51.5) U8.U2@63,52 ; v1@62.5,51.625 ccw(c62.5,51.927) 62.713,51.713 ccw(c62.927,51.5) v1@62.625,51.5 ; v1@62.669,44.204 cw(c62.469,43.858) U8.J2@62.855,43.961 ; 62.715,44.177 ccw(c62.877,44.458) U8.J2@62.961,44.145 ; U8.E2@62.85,40 ccw(c62.488,40) 62.744,40.256 ccw(c63,40.512) U8.E2@63,40.15 ; U8.J2@62.85,44 ccw(c62.488,44) 62.744,44.256 ccw(c63,44.512) U8.J2@63,44.15 ; U8.N2@62.85,48 cw(c62.488,48) 62.744,47.744 cw(c63,47.488) U8.N2@63,47.85 ; U8.U2@62.85,52 cw(c62.488,52) 62.744,51.744 cw(c63,51.488) U8.U2@63,51.85 ; U8.A1@63.987,35.851 cw(c63.953,35.474) v2@64.304,35.615 ; U8.AB1@63.987,57.149 ccw(c63.953,57.526) v2@64.304,57.385 ; U8.A1@64,35.85 cw(c64,35.488) 64.256,35.744 cw(c64.512,36) U8.A1@64.15,36 ; U8.A1@64,36 v2(64.5,35.5) ; U8.AB1@64,57 v2(64.5,57.5) ; U8.AB1@64,57.15 ccw(c64,57.512) 64.256,57.256 ccw(c64.512,57) U8.AB1@64.15,57 ; U8.A1@64.002,35.85 cw(c64.006,35.502) 64.249,35.751 cw(c64.498,35.994) U8.A1@64.15,35.998 ; U8.AB1@64.002,57.15 ccw(c64.006,57.498) 64.249,57.249 ccw(c64.498,57.006) U8.AB1@64.15,57.002 ; U8.A1@64.006,35.85 cw(c64.02,35.537) 64.244,35.756 ; U8.AB1@64.006,57.15 ccw(c64.02,57.463) 64.244,57.244 ; U8.A1@64.149,36.013 ccw(c64.526,36.047) v2@64.385,35.696 ; U8.AB1@64.149,56.987 cw(c64.526,56.953) v2@64.385,57.304 ; U8.A1@64.15,35.994 ccw(c64.463,35.98) 64.244,35.756 ; U8.AB1@64.15,57.006 cw(c64.463,57.02) 64.244,57.244 ; 64.25,35.75 ccw(c64.012,35.518) 64.004,35.85 cw(c64.013,35.519) 64.244,35.756 ; 64.25,57.25 cw(c64.012,57.483) 64.004,57.15 ccw(c64.013,57.481) 64.244,57.244 ; 64.25,35.75 cw(c64.483,35.988) 64.15,35.996 ccw(c64.481,35.987) 64.244,35.756 ; 64.25,57.25 ccw(c64.482,57.012) 64.15,57.004 cw(c64.481,57.013) 64.244,57.244 ; v2@64.35,35.5 ccw(c63.988,35.5) 64.244,35.756 ; v2@64.35,57.5 cw(c63.988,57.5) 64.244,57.244 ; v2@64.5,35.65 cw(c64.5,36.012) 64.244,35.756 ; v2@64.5,57.35 ccw(c64.5,56.988) 64.244,57.244 ; v2(64.825,11.625) U11.90@66.075,11.625 ; v2(64.825,12.925) U11.92@66.075,12.925 ; v2(64.853,16.876) 64.879,16.85 U11.98@66.075,16.85 ; v2@64.931,11.519 cw(c65.187,11.263) 65.187,11.625 cw(c65.187,11.987) v2@64.931,11.731 ; v2@64.931,12.819 cw(c65.187,12.563) 65.187,12.925 cw(c65.187,13.287) v2@64.931,13.031 ; v2@64.959,16.77 cw(c65.153,16.576) 65.153,16.85 ; v2@64.959,16.982 ccw(c65.278,17.3) U11.98@65.278,16.85 ; v2(104.575,20.85) C76-1.2@105.5,20.85 ; v2(104.675,70) 105.425,70 C76-2.2@105.6,70.175 ; v2@104.681,20.744 cw(c104.937,20.488) 104.937,20.85 cw(c104.937,21.212) v2@104.681,20.956 ; v2@104.781,69.894 cw(c105.037,69.638) 105.037,70 cw(c105.037,70.362) v2@104.781,70.106 ; C77-1.2@108.657,13.088 108.811,12.934 108.811,12.408 108.911,12.308 ; C77-2.2@108.696,62.38 108.85,62.226 108.85,61.7 108.95,61.6 ; C68-1.2@108.857,11.188 108.911,11.242 108.911,12.308 